# Altium PCB 搅拌机主控.PcbDoc (continued)
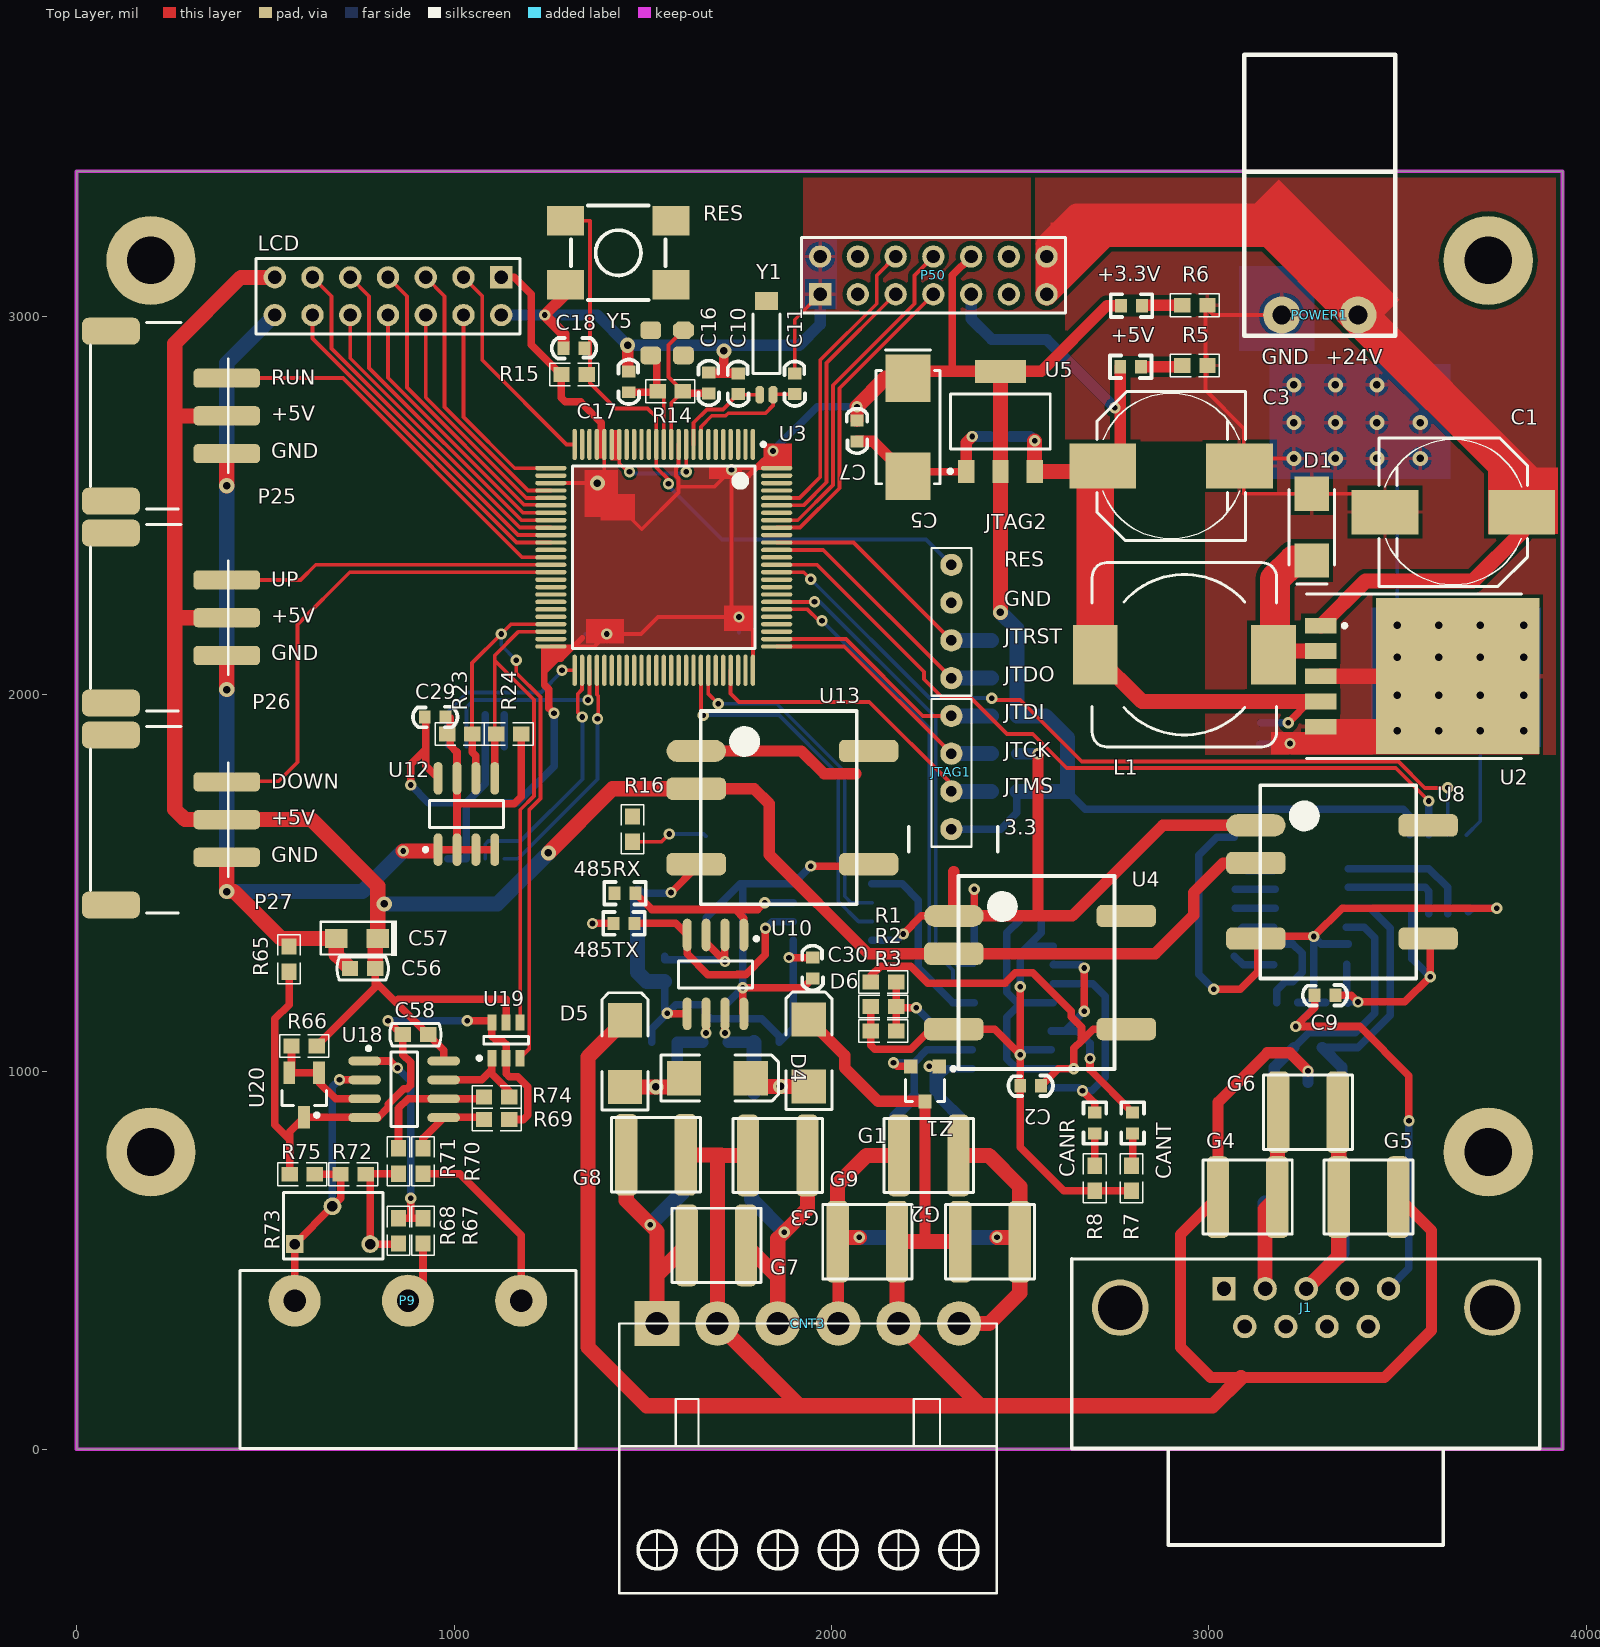
[diagram p0: Top Layer view]
## Footprints (in the part's own frame and the unit in brackets; to place one, negate y for a bottom-side part, rotate by r counter-clockwise, add the part's x,y. Pads: shape width x height; smd on the part's side, far side on the other; paste and mask are expansions set on the pad) (continued)
  silkscreen extent -2.52,-2.5 0.9,2.88, body extent -1.95,-2.45 1.95,2.45, height 1.75
SOIC8_W [mm] "SPI_FLASH"
  oval 1.75x0.6 smd: 1(-3.768,1.905) 2(-3.768,0.635) 3(-3.768,-0.635) 4(-3.768,-1.905) 5(3.768,-1.905) 6(3.768,-0.635) 7(3.768,0.635) 8(3.768,1.905)
  silkscreen extent -3.93,-2.45 2.41,3.3
SOP127P710X350-4N [mm] "SOP, 4-Leads, Body 2.7x4.5mm (max), Pitch 1.27mm, IPC Medium Density"
  oval 1.8x0.7 smd: 1(-3.448,0.635) 2(-3.448,-0.635) 3(3.448,-0.635) 4(3.448,0.635)
  silkscreen extent -3.7,-1.35 2.29,1.71, body extent -2.76,-1.35 2.79,1.35, height 3.5
SOT23 [mm]
  rect 1.5x0.8 smd: 1(-1.5,1) 2(-1.5,-1) 3(1.5,0)
  silkscreen extent -0.3,-1.5 1.47,1.5, body extent -0.7,-1.5 0.7,1.5, height 1.1
SOT23-6 [mm] "Max4173"
  rect 1.1x0.6 smd: 1(-1.2,0.95) 2(-1.2,0) 3(-1.2,-0.95) 4(1.2,-0.95) 5(1.2,0) 6(1.2,0.95)
  silkscreen extent -1.32,-1.5 0.25,1.92, body extent -1.41,-1.4 1.43,1.5, height 1.23
SOT-23 [mm]
  rect 0.9x0.95 smd: 1(-0.95,-1.175) 2(0.95,-1.175) 3(0,1.175)
  silkscreen extent -2.03,-1.14 1.3,1.18, body extent -1.45,-1.4 1.45,1.4, height 1.2
SOT-223 [mm]
  rect 1.1x1.55 smd: 1(-2.3,-3.375) 2(0,-3.375) 3(2.3,-3.375)
  rect 3.45x1.55 smd: 4(0,3.375)
  silkscreen extent -3.5,-3.48 3.35,1.85, body extent -3.3,-3.94 3.3,3.43, height 0.8
SW_PB4_A1 [mil] "6*6轻触按键"
  rect 98.42x78.74 smd: 1(-140,85) 2(-140,-85) 3(140,-85) 4(140,85)
  silkscreen extent -125,-125 125,125, body extent -179,-120 179,124, height 516
TO-263-5 [mm] "贴片LM2596"
  rect 1.05x2.1 smd: 1(-3.4,-4.225) 2(-1.7,-4.225) 3(0,-4.225) 4(1.7,-4.225) 5(3.4,-4.225)
  rect 10.5x11 smd: 6(0,4.987)
  silkscreen extent -5.55,-5.18 5.55,9.28, body extent -5.33,-4.7 5.33,10.29, height 3
VR-3266W [mm] "3266电位器"
  rect 1.2x1.2 hole 0.7: 1(-2.54,-1.27)
  round 1.2 hole 0.7: 2(0,1.27) 3(2.54,-1.27)
  silkscreen extent -3.3,-2.29 3.41,2.21, body extent -3.3,-2.29 3.4,2.21, height 8.25
XH2.54*3卧贴 [mm]
  rrect50% 1.8x3.9 smd: 0(-3.2,7.8) 0(8.24,7.8)
  rrect50% 1.3x4.5 smd: 1(0,0) 2(2.54,0) 3(5.08,0)
  silkscreen extent -3.73,-0.1 8.81,9.17, body extent -3.85,-1.33 8.68,9.27, height 6
xtal3225 [mm] "贴片3.2x2.5"
  oct 1.4x1.2 smd: 1(0,-1.7)
  rrect50% 1.4x1.2 smd: 2(2.2,0) 3(2.2,-1.7) 4(0,0)
单排插针2.54 [mm] "11mm长4p"
  round 1.5 hole 0.7: 1(0,0) 2(2.54,0) 3(5.08,0) 4(7.62,0)
  silkscreen extent -1.19,-1.35 8.76,1.35, body extent -1.3,-1.27 8.86,1.27, height 9

## Part data
485RX 485TX +3.3V +5V CANR CANT: library part ledφ6
C1 C3 C5 C57: "极性电解电容"
C2 C4 C6 C7 C8 C9 C10 C11 C12 C13 C14 C15 C16 C17 C18 C22 C24 C25 C26 C27 C28 C29 C30 C60: library part "CAP X", "安规电容"
C21: library part CAP, "电解电容"
C56 C58: "无极性电容"
CNT3: "接线端子(3.96MM)"
D1: "肖特基二极管"
D4 D5 D6: "TVS保护"
F1 F2 F3 F4 F5 F6: library part "Fuse 2", "保险丝"
G1 G2 G3 G4 G5 G6: library part SMD5050-230NA, "230V 气体放电管"
G7 G8 G9: "230V 气体放电管"
J1: "串口"
J2: library part TLP281, "光耦"
L1: "电感"
LCD P50: "Header, 7-Pin"
P9: "3p接线端子"
P25 P26 P27: "接插件"
R1 R2 R3 R4 R5 R6 R7 R8 R9 R10 R11 R12 R13 R14 R15 R16 R17 R18 R19 R20 R21 R22 R23 R24 R65 R66 R67 R68 R69 R70 R71 R72 R74 R75: "贴片电阻"
R73: "精密可调电阻"
RES: "微动开关"
U1 U7: "ADI隔离芯片"
U2: "5V稳压芯片"
U3: library part STM32F103V, "STM32单片机100引脚"
U4 U8 U13: library part B0503D-2WR2, "5v-3.3v-2w隔离电源"
U5: "3.3V稳压芯片"
U6: "CANоƬ"
U10: "485总线芯片"
U11: library part ADUM1201, "ADI隔离芯片"
U12: library part AT24C02, "EEROM存储器"
U18: library part AD8667, "双运放"
U19: "16位内部基准AD芯片IIC"
U30: library part MAX232, "+5V Powered, Multi-Channel RS-232 Driver/Receiver"
U40: library part W25QXX, "SPI FLASH"
Y1 Y5: "圆柱晶振"
Z1: "过压保护"
Z2: library part PESD1CAN, "过压保护"

## Free pads (board coordinates)
  round 236.22 hole 125.98: 0(196.85,787.4) 0(196.85,3149.61) 0(3740.16,787.4) 0(3740.16,3149.61)

## Via types
v1: diameter 30, hole 15, Top Layer to Bottom Layer, 73 vias
v2: diameter 40, hole 20, Top Layer to Bottom Layer, 38 vias

## Nets (pads, with @x,y where several pads share a name; then routed paths per layer and width w, separated by ;. In a path a pad name is that pad's centre, name@x,y a point inside that pad or via, vN(x,y) a via of type N, cw(c..) or ccw(c..) an arc to the next point about the centre after c; other vN are vias at no path point)
12~24V: C1.1 P50.13 P50.14 POWER1.1 U2.1 | length 2785.5
  Top Layer w40: U2.1 3414.55,2300 3700,2300 3828.86,2428.86 C1.1
  Top Layer w60: POWER1.1 3130,3270 2780,3270 ; 2780,3270 2650,3270 2570,3190 P50.14 P50.13 2780,3270
  Top Layer w100: POWER1.1 3828.86,2571.14 C1.1
232-3.3: C9.1 C12.2 U7.8 U8.9 U30.16 | length 718.2
  Top Layer w20: C9.1 3376.99,1203.01 v1(3395,1185) 3519.25,1185 v1(3586.1,1251.85) U8.9@3586.1,1358.5
  Bottom Layer w20: U30.16@3365.31,1284.61 3365.31,1183.5 3367.76,1181.06 3371.69,1185 v1(3395,1185) ; U7.8@3537.76,1424.02 3537.76,1300.2 v1(3586.1,1251.85)
232-GND: C9.2 C12.1 C14.1 C22.1 J1.5 U7.5 U8.8 U30.15 | length 2936.9
  Top Layer w20: v1(3012.76,1218.5) 3082.76,1218.5 3129.41,1265.16 3129.41,1358.5 v1(3277.76,1358.5) 3352.76,1433.5 v1(3762.76,1433.5) ; C9.2 3280.2,1170.2 v1(3230,1120) 3400,1120 3530,990 v1(3530,870)
  Bottom Layer w20: v1(3012.76,1218.5) 2972.76,1258.5 2972.76,1573.5 3020.31,1621.06 C22.1@3067.76,1621.06 ; v1(3230,1120) 3277.76,1167.76 3277.76,1183.5 ; C14.1@3235.32,1183.5 3277.76,1183.5 ; C12.1@3310.2,1183.5 3277.76,1183.5 ; U30.15@3369.21,1338.5 3297.76,1338.5 v1(3277.76,1358.5) 3277.76,1183.5 ; J1.5 3530,479 v1(3530,870) ; U7.5@3687.76,1424.02 3697.24,1433.5 v1(3762.76,1433.5)
232-RX: U3.87 U7.2 | length 2088.7
  Top Layer w10: U3.87 1961.68,2343.32 2245,2060 2245,2040 2295,1990 2370,1990 2465,1895 2533.18,1895 2623.18,1805 3495,1805 v1(3582.76,1717.24)
  Bottom Layer w20: U7.2 v1(3582.76,1717.24)
232-TX: U3.86 U7.3 | length 2139.3
  Top Layer w10: U3.86 1926.36,2323.64 v1(1945,2305) ; v1(2425,1990) 2430,1985 2500,1985 2663,1822 3502.04,1822 3571.8,1752.24 v1(3632.76,1752.24)
  Bottom Layer w10: v1(1945,2305) 2260,1990 v1(2425,1990) ; U7.3 v1(3632.76,1752.24)
232RX: U7.7 U30.12 | length 277.7
  Bottom Layer w20: U30.12@3369.21,1488.5 3572.76,1488.5 3582.76,1478.5 U7.7
232TX: U7.6 U30.11 | length 354.2
  Bottom Layer w20: U30.11@3369.21,1538.5 3582.76,1538.5 3632.76,1488.5 U7.6
485-3.3: C24.2 C30.1 J2.4 U10.8 U11.8 U13.9 | length 1142.1
  Top Layer w20: U10.8 1765,1156.28 v1(1765,1222.69) 1925.25,1222.69 C30.1 ; v1(1945.26,1545) 2093.35,1545 U13.9
  Bottom Layer w20: J2.4 1667.76,1407.76 1758.01,1498.01 U11.8 v1(1945.26,1545) ; C24.2 v1(1765,1222.69) 1765,1491.02
485-A: CNT3.1 F6.2 G7.2 G8.1 | length 799.5
  Top Layer w40: G8.1 1456.26,658.74 v1(1520,595) 1537.76,577.24 1537.76,461.5 ; CNT3.1 1537.76,461.5 ; G7.2 1537.76,461.5
  Bottom Layer w40: v1(1520,595) 1607.76,682.76 F6.2
485-B: CNT3.3 F5.2 G7.1 G9.1 | length 824
  Top Layer w40: G7.1 1857.76,455.98 ; CNT3.3 1857.76,455.98 ; G9.1 1936.5,636.5 v1(1875,575) 1857.76,557.76 1857.76,455.98
  Bottom Layer w40: F5.2 1787.76,662.24 v1(1875,575)
485-GND: C24.1 C30.2 R17.1 R18.2 R20.1 R21.1 R22.1 U10.5 U11.5 U13.8 | length 1435.6
  Top Layer w20: v1(1565,1155) 1566.48,1153.52 U10.5 ; v1(1575,1475) 1641.65,1541.65 U13.8 ; v1(1887.56,1302.56) C30.2
  Bottom Layer w20: R22.1 1573.01,1473.01 v1(1575,1475) ; R20.1 1524.29,1114.29 v1(1565,1155) ; R17.1 1557.76,1162.24 v1(1565,1155) ; U11.5 1898.27,1115.06 R18.2 1861.22,1093.78 1815,1140 1680,1140 1665.2,1154.8 C24.1 1588.01,1178.01 v1(1565,1155)
  Bottom Layer w40: R22.1 1486.22,1263.78 1510.46,1239.54 R17.1
485-RE: J2.2
485-RX: U3.69 U11.2 | length 918.5
  Top Layer w10: U3.69 1673.78,2001.22 v1(1700,1975)
  Bottom Layer w10: v1(1700,1975) 1855,1975 2035,1795 2035,1465 2051.99,1448.01 U11.2
485-TX: U3.68 U11.3 | length 991.9
  Top Layer w10: U3.68 1654.09,1950.91 v1(1660,1945)
  Bottom Layer w10: v1(1660,1945) 1860.96,1945 2018,1787.96 2018,1452 2071.99,1398.01 U11.3
485RE: J2.3 R17.2 U10.2 U10.3 | length 386.3
  Top Layer w20: U10.3 1667.76,1342.24 v1(1717.76,1292.24) U10.2
  Bottom Layer w20: R17.2 1557.76,1296.83 v1@1713.17,1296.83 ; v1(1717.76,1292.24) J2.3
485RX: 485RX.2 U10.1 U11.7 | length 520.2
  Top Layer w20: 485RX.2 1523.32,1430 1745,1430 ; U10.1 1767.76,1407.24 1745,1430 ; v1(1823.01,1448.01) 1805,1430 1745,1430
  Bottom Layer w20: v1(1823.01,1448.01) U11.7
485TX: 485TX.2 U10.4 U11.6 | length 605.4
  Top Layer w20: 485TX.2 1587.24,1393.01 U10.4 1617.76,1312.24 1672.76,1257.24 1750.05,1257.24 1750.5,1257.69 1772.69,1257.69 1825,1310 v1(1825,1380)
  Bottom Layer w20: v1(1825,1380) 1843.01,1398.01 U11.6
+5V: +5V.2 C3.1 C4.1 C6.1 C56.1 C57.1 C58.2 L1.2 LCD.13 P25.2 P26.2 P27.2 P50.9 R66.1 U2.4 U4.14 U5.3 U8.14 U13.14 U18.8 U19.5 | length 8789.2
  Top Layer w20: 260,2745 266.99,2738.01 ; R66.1 791.22,1223.5 791.22,1238.5 ; C56.1 791.22,1238.5 ; 844.86,1185.14 851.97,1192.24 1137.76,1192.24 U19.5 ; U18.8 972.24,1057.48 C58.2 791.22,1238.5 ; v1(3210,1925) U2.4@3266.08,1981.08
  Top Layer w30: U13.14 1795,1750 1835,1710 1835,1575 2096.99,1313.01 U4.14 2858.01,1313.01 2960,1415 2960,1475 3038.01,1553.01 U8.14 ; C3.1@2765.2,2651.3 +5V.2
  Top Layer w40: 261.99,2203.01 P26.2 ; 266.99,2738.01 P25.2 ; LCD.13 435,3105 260,2930 260,2745 260,1695 286.99,1668.01 P27.2 621.99,1668.01 797.76,1492.24 C57.1 791.22,1346.97 C56.1 ; v2(1250,1580) 1420,1750 U13.14 ; v1(2538.31,2671.69) U5.3 C3.1@2704.03,2590.13 ; L1.2 2822.7,1981.08 2925,1981.08 3266.08,1981.08 U2.4
  Top Layer w100: L1.2 C3.1@2698.78,2584.88
  Bottom Layer w20: C4.1@3137.44,1925 v1(3210,1925)
  Bottom Layer w30: P50.9 2370,2995 2425,2940 2570,2940 v1(2750.35,2759.65) ; C6.1 2526.99,2683.01 v1(2538.31,2671.69)
  Bottom Layer w40: v2(815,1445) 1115,1445 v2(1250,1580)
+24V: 
A1+: 
A1-: 
A2+: 
A2-: 
B1+: 
B1-: 
B2+: 
B2-: 
BOOT0: U3.94
BOOT1: U3.37
BUZZ: LCD.12 U3.36 | length 917.6
  Top Layer w10: LCD.12 625,2942.67 1165.29,2402.38 U3.36
CAN3.3: C2.1 C8.2 R1.1 U1.8 U4.9 U6.3 | length 1730.8
  Top Layer w20: R1.1 2104.29,1254.29 2130,1280 2210,1280 2255,1235 2459.75,1235 2486.75,1262 2533,1262 2635,1160 2635,1145.5 2662.5,1118 2662.5,1082.5 ; C2.1 2600.31,1008.01 v1(2641.99,1008.01) 2641.99,1061.99 2662.5,1082.5 ; U4.9 2693.01,1113.01 2662.5,1082.5
  Bottom Layer w20: C8.2 2465,1367.81 2465,1210.5 2492.49,1183.01 2503.01,1183.01 ; U1.8 2503.01,1183.01 ; v1(2641.99,1008.01) U6.3 2491.99,1008.01 2465,1035 2465,1145 2503.01,1183.01
CAN-H: CNT3.4 F1.2 G1.1 G3.1 | length 698.4
  Top Layer w30: CNT3.4 G3.1@2017.76,548.5
  Top Layer w40: G3.1 2016.26,701.26 2093.01,778.01 G1.1 ; G3.1@2030.65,561.39 v1(2073.61,561.39)
  Bottom Layer w40: v1(2073.61,561.39) F1.2
CAN-L: CNT3.6 F2.2 G1.2 G2.1 | length 810.4
  Top Layer w40: G1.2 2416.99,778.01 2498.74,696.26 G2.1 2498.74,413.74 2418.01,333.01 CNT3.6 ; v1(2438.61,561.39) G2.1@2485.13,561.39
  Bottom Layer w40: F2.2 v1(2438.61,561.39)
CAN-RX: U1.2 U3.81 | length 1294.6
  Top Layer w10: U3.81 1936.6,2225.21 1966.82,2195 v1(1975,2195)
  Bottom Layer w10: v1(1975,2195) 2259.23,1910.77 2259.23,1331.73 2321.99,1268.97 2321.99,1233.01 U1.2
CAN-TX: U1.3 U3.82 | length 1273.4
  Top Layer w10: U3.82 1954.9,2244.9 v1(1955,2245)
  Bottom Layer w10: v1(1955,2245) 1970,2245 2276.23,1938.77 2276.23,1338.77 2331.99,1283.01 U1.3
CANGND: C2.2 C8.1 R2.1 R3.1 R7.1 R8.1 U1.5 U4.8 U6.2 | length 1675.8
  Top Layer w20: R2.1 R3.1 2104.29,1070.71 2115,1060 2210,1060 2263.01,1113.01 U4.8 2432.39,1113.01 v1(2500.2,1045.2) ; v1(2500,1225) 2500,1045.39 v1(2500.2,1045.2) ; R7.1 R8.1 2615.46,684.54 2500.2,799.8 C2.2 v1(2500.2,1045.2)
  Bottom Layer w20: v1(2500,1225) 2500,1313.01 2520,1333.01 ; v1(2500.2,1045.2) 2513.01,1058.01 U6.2 ; C8.1 2555.31,1368.32 2520,1333.01 ; U1.5 2520,1333.01
CANRX: CANR.2 U1.7 U6.4 | length 598.5
  Top Layer w20: v1(2665,950) 2697.76,917.24 CANR.2
  Bottom Layer w20: U6.4 2656.99,958.01 v1(2665,950) 2690,950 2725,985 2725,1200 2691.99,1233.01 U1.7
CANTX: CANT.2 U1.6 U6.1 | length 618.5
  Top Layer w20: v1(2670,1160) v1@2670,1270 ; v1(2685,1035) 2685,1004.82 CANT.2
  Bottom Layer w20: U6.1 U6.1@2618.01,1108.01 ; U1.6@2589.24,1285 U1.6 2661.99,1283.01 v1(2670,1275) ; v1(2670,1160) U6.1@2618.01,1108.01 ; v1(2685,1035) 2685,1075 2651.99,1108.01 U6.1@2618.01,1108.01
CLK1: 
CLK2: 
CW1: 
CW2: 
DIR1: P50.8 U3.93 | length 903.1
  Top Layer w10: U3.93 1910.47,2461.43 2004,2554.96 2004,2819 2220,3035 2220,3110 P50.8
DIR2: P50.6 U3.96 | length 805.5
  Top Layer w10: U3.96 1915.49,2520.49 1970,2575 1970,2885 2120,3035 2120,3110 P50.6
DOWN: P27.3 U3.40 | length 1302.7
  Top Layer w10: P27.3 399.75,1770 535,1770 585,1820 585,2185 723.64,2323.64 U3.40
F_CS: U3.51 U40.1 | length 475.6
  Top Layer w10: v1(1286.2,2063.8) U3.51
  Bottom Layer w10: U40.1 982.76,1952.76 1035,2005 1230,2005 1286.2,2061.2 v1(1286.2,2063.8)
FONT_CS: 
GND: C1.2 C3.2 C4.2 C5.2 C6.2 C7.2 C10.2 C11.2 C16.2 C17.2 C18.1 C21.2 C25.1 C26.1 C27.1 C28.1 C29.1 C56.2 C57.2 C60.1 D1.1 JTAG2.3 LCD.2 LCD.14 P25.1 P26.1 P27.1 P50.1 P50.2 POWER1.2 R5.1 R6.1 R12.2 R23.1 R24.1 R65.1 RES.2 U1.4 U2.3 U2.5 U2.6 U3.10 U3.19 U3.20 U3.27 U3.49 U3.74 U3.99 U4.1 U5.1 U7.4 U8.1 U11.4 U12.1 U12.2 U12.3 U12.4 U12.7 U13.1 U40.4 | length 11490.6
  Top Layer w10: U3.20 1417.87,2667.72 U3.19@1437.56,2667.72 ; U3.19 1437.56,2612.56 1460.12,2590 v1(1465,2590) ; v1(1615,2590) U3.10@1615,2661.94 ; C11.2 1902.76,2992.76 P50.1 ; C3.2 C3.2@3092.44,2605 ; C3.2@3101.1,2625 v2(3225,2625) ; POWER1.2 3012.26,3005 2991.22,3026.04 2991.22,2806.04 3092.44,2704.82 C3.2@3092.44,2605 ; v2(3335,2820) v2@3345,2820 ; v2@3435,2720 v2(3445,2720) ; C1.2 3418.07,2531.59 D1.1 3092.44,2531.59 C3.2@3092.44,2605 ; v2(3609.09,2098.01) U2.6@3619.09,2098.01 ; U2.6@3709.09,1998.01 v2(3719.09,1998.01)
  Top Layer w20: U12.1 U12.2 ; C29.1@990.31,1938.01 990.31,1864.69 1007.76,1847.24 U12.7 1007.76,1710 ; U12.4 U12.3 U12.2 ; R24.1 1178.46,1728.46 1160,1710 1007.76,1710 ; v1(2190,1365) 2238.01,1413.01 U4.1 ; C5.2@2214.88,2590.13 U5.1 ; U4.1@2375,1413.01 2378.27,1416.28 v1(2378.27,1483.27) ; v1(3215,1870) 3252.27,1870 U2.5 ; U2.6@3470,2048.01 U2.6 ; U12.2 1007.76,1710
  Top Layer w25: C16.2 1676.99,2850.57 1714.87,2850.57 ; v2(1714.87,2909.87) 1714.87,2850.57 ; C10.2 1714.87,2850.57
  Top Layer w30: C18.1 1290.45,2954.55 v1(1240,3005) 1295,3060 RES.2 ; C17.2@1460,2858.32 v2(1460,2925) ; U13.1 1920,1850 1980,1790 2065,1790 ; C7.2 2110.31,2670.45 C5.2 ; 2324.41,1530.59 U4.1 2375,1413.01 2540,1413.01 ; U5.1 2357.2,2667.2 v1(2373.01,2683.01) ; v1(2546.99,1843.01) 2546.99,1420 2540,1413.01 ; U8.1 2878.01,1653.01 2638.01,1413.01 2540,1413.01
  Top Layer w40: P27.1 v2(397.76,1477.24) 417.48,1477.24 541.22,1353.5 C57.2@675,1353.5 ; v2(397.76,2012.76) P26.1 ; v2(397.76,2552.76) P25.1 ; C57.2 687.76,1310.04 C56.2 ; v1(865,1585) 940,1585 ; U2.5 U2.6@3525.24,1914.15 ; U2.3 U2.6@3470,2048.01
  Bottom Layer w10: v1(1465,2590) 1470,2585 1610,2585 v1(1615,2590) ; v2(3445,2625) 3499.09,2570.91 v2(3499.09,2183.01) ; U7.4 3719.09,1663.83 v2(3719.09,1903.01)
  Bottom Layer w20: U40.4 C60.1@1132.76,1945.45 ; U11.4 2173.01,1348.01 v1(2190,1365) ; U1.4 v1(2378.27,1483.27) ; C4.2 3212.44,1867.44 v1(3215,1870)
  Bottom Layer w30: LCD.2 v1(1240,3005) 1380,3005 v2(1460,2925) 1915,2925 1970,2980 P50.1 ; v1(2373.01,2683.01) C6.2 ; R12.2 v1(2546.99,1843.01)
  Bottom Layer w40: LCD.14 397.76,2877.76 v2(397.76,2552.76) v2(397.76,2012.76) v2(397.76,1477.24) 757.24,1477.24 v1(865,1585)
  other v2: 3499.09,1903.01 3609.09,1903.01 3834.09,1903.01 3499.09,1998.01 3609.09,1998.01 3834.09,1998.01 3499.09,2098.01 3719.09,2098.01 3834.09,2098.01 3609.09,2183.01 3719.09,2183.01 3834.09,2183.01 3335,2625 3560,2625 3225,2720 3335,2720 3560,2720 3225,2820 3445,2820
GNDA: C58.1 R65.2 R69.2 R75.1 U18.4 U19.2 U19.6 U20.3 | length 1799.4
  Top Layer w20: R65.2 562.76,1177.76 525,1140 525,859.29 564.29,820 ; R75.1 564.29,820 ; U18.4@762.32,879.45 U20.3 564.29,840.98 564.29,820 ; U18.4 798.5,878.5 825.76,905.76 825.76,913.94 867.32,955.5 875.5,955.5 885,965 885,1025 864.29,1045.71 C58.1 861.5,1098.5 v1(825,1135) ; v1(1035,1135) 1096.1,1135 U19.6 1100.35,1094.65 1110,1085 1125,1085 1137.76,1072.24 U19.2 1137.76,995.43 1146.59,986.59 1168.41,986.59 1195,960 1195,885 1183.5,873.5 R69.2
  Bottom Layer w20: v1(825,1135) v1(1035,1135)
IICSCL: R23.2 U3.47 U12.6 U19.3 | length 1750
  Top Layer w10: R23.2@1047.76,1899.54 1047.76,2082.76 v1(1125,2160) 1150.84,2185.84 U3.47 ; v1(1165,2090) 1165,2056.8 1229.12,1992.68 1229.12,1723.96 1198.97,1693.81 1198.97,1060.07 U19.3
  Top Layer w20: R23.2@1047.76,1899.54 1047.76,1847.24 1057.76,1837.24 U12.6
  Bottom Layer w10: v1(1125,2160) 1125,2130 v1(1165,2090)
IICSDA: R24.2 U3.48 U12.5 U19.4 | length 1518
  Top Layer w10: R24.2@1107.76,1899.54 1107.76,2090 ; U19.4 1175.16,1694.04 1212.12,1731.01 1212.12,1985.64 1107.76,2090 ; U3.48 1171.16,2166.16 1107.76,2102.76 1107.76,2090
  Top Layer w20: U12.5 R24.2@1107.76,1899.54
JTCK: JTAG1.3 R12.1 U3.76 | length 687
  Top Layer w10: U3.76 2033.98,2126.79 JTAG1.3
  Bottom Layer w40: JTAG1.3 R12.1
JTDI: JTAG1.4 R11.1 U3.77 | length 653.7
  Top Layer w10: U3.77 2038.53,2146.47 2241.99,1943.01 JTAG1.4
  Bottom Layer w40: JTAG1.4 R11.1
JTDO: JTAG2.1 R9.1 U3.89 | length 710.1
  Top Layer w10: U3.89 1978.07,2382.69 JTAG2.1
  Bottom Layer w40: JTAG2.1 R9.1
JTMS: JTAG1.2 R10.1 U3.72 | length 871.7
  Top Layer w10: U3.72 1732.83,2002.17 1755,1980 2100,1980 2317.76,1762.24 JTAG1.2
  Bottom Layer w40: JTAG1.2 R10.1
JTRST: JTAG2.2 R13.1 U3.90 | length 676.8
  Top Layer w10: U3.90 2058.39,2402.38 JTAG2.2
  Bottom Layer w40: JTAG2.2 R13.1
LCD_CS: 
LCD_RS: 
LCD_RXD: LCD.4 U3.26 | length 557.7
  Top Layer w10: LCD.4 1025,2735 1160.77,2599.23 U3.26
LCD_TXD: LCD.3 U3.25 | length 577.4
  Top Layer w10: LCD.3 1075,3055 1075,2885 1297.78,2662.22 U3.25
LEDG: LCD.8 U3.32 | length 745.8
  Top Layer w10: LCD.8 825,2838.83 1182.72,2481.12 U3.32
LEDR: LCD.7 U3.31 | length 823.6
  Top Layer w10: LCD.7 875,3055 875,2812.88 1185.29,2502.58 1254.68,2502.58 U3.31
M1_1: 
M1_2: 
M1_3: 
M2_1: 
M2_2: 
M2_3: 
Net1_1: 485TX.1 R21.2 | length 105.6
  Top Layer w20: v1(1366.99,1393.01) 485TX.1
  Bottom Layer w20: v1(1366.99,1393.01) R21.2
Net2_1: 485RX.1 R22.2
Net+3.3V_1: +3.3V.1 R6.2 | length 102.8
  Top Layer w30: +3.3V.1@2826.52,3031.04 R6.2
Net+5V_1: +5V.1 R5.2 | length 105.9
  Top Layer w30: +5V.1 R5.2@2926.26,2868.01
NetBP1_2: 
NetC10_1: C10.1 U3.9 Y1.1 | length 262.9
  Top Layer w10: U3.9 1634.41,2719.41 1670,2755 1712.31,2755 C10.1 ; C10.1@1754.21,2793.99 Y1.1
NetC11_1: C11.1 U3.8 Y1.2 | length 348
  Top Layer w10: U3.8 1654.09,2709.09 1683,2738 1719.35,2738 1726.35,2745 1825,2745 1845.47,2765.47 Y1.2 1846.93,2795.45 C11.1
NetC13_1: C13.1 U30.1 | length 113
  Bottom Layer w20: C13.1@3067.76,1305.94 3090.69,1283.01 U30.1
NetC13_2: C13.2 U30.3 | length 112.6
  Bottom Layer w20: C13.2@3067.76,1361.06 3089.7,1383.01 U30.3
NetC14_2: C14.2 U30.2 | length 251.5
  Bottom Layer w20: U30.2@3176.3,1338.5 3222.76,1338.5 3247.76,1313.5 3247.76,1263.5 3222.76,1238.5 3202.76,1238.5 3180.2,1215.94 C14.2@3180.2,1183.5
NetC15_1: C15.1 U30.4 | length 106
  Bottom Layer w20: C15.1@3070.31,1433.5 U30.4@3176.3,1433.5
NetC15_2: C15.2 U30.5 | length 106
  Bottom Layer w20: C15.2@3070.32,1483.5 U30.5@3176.3,1483.5
NetC16_1: C16.1 R14.1 U3.12 Y5.1 | length 410.9
  Top Layer w10: U3.12 1575.35,2772.14 R14.1 1568.2,2841.03 1568.2,2925.38 Y5.1
  Top Layer w20: R14.1@1611.79,2797.44 C16.1
NetC17_1: C17.1 R14.2 U3.13 Y5.2 | length 280.4
  Top Layer w10: U3.13 R14.2@1555.67,2786.63
  Top Layer w20: C17.1 1536.73,2800.45 Y5.2@1536.73,2882.42
NetC22_2: C22.2 U30.6 | length 117.2
  Bottom Layer w20: C22.2@3067.76,1565.94 3100.69,1533.01 U30.6
NetC31_2: 
NetC33_2: 
NetC37_2: 
NetC38_1: 
NetC40_1: 
NetC41_2: 
NetC45_2: 
NetC49_2: 
NetC50_1: 
NetC52_1: 
NetC53_2: 
NetCANR1_1: CANR.1 R8.2 | length 85.5
  Top Layer w20: R8.2 CANR.1
NetCANT1_1: CANT.1 R7.2 | length 82.4
  Top Layer w20: R7.2@2797.76,754.5 CANT.1
NetD1_2: D1.2 L1.1 U2.2 | length 393.7
  Top Layer w40: L1.1@3225.91,2114.94 U2.2
  Top Layer w80: L1.1@3175,2100 3175,2305 3224.43,2354.43 D1.2
NetD4_1: D4.1 D5.1 F6.1 R19.1 R20.2 U10.6 | length 373.5
  Top Layer w20: v1(1667.76,1102.76) U10.6
  Top Layer w40: D5.1 D4.1@1585.59,959.43
  Bottom Layer w30: F6.1@1591.22,956.16 R20.2 R19.1
  other v2: 1535,960
NetF1_1: F1.1 R4.2 U6.7 Z1.2 | length 584.2
  Top Layer w20: v1(2164.29,1024.29) 2174.31,1014.27 Z1.2
  Bottom Layer w20: v1(2164.29,1024.29) 2219.29,1024.29 ; R4.2 2219.29,1024.29 ; U6.7 2253.01,1058.01 2219.29,1024.29
  Bottom Layer w30: F1.1 2167.76,881.47 R4.2
NetF2_1: F2.1 R4.1 U6.6 Z1.1 | length 491.5
  Top Layer w20: v1(2259.27,1014.27) Z1.1
  Bottom Layer w20: v1(2259.27,1014.27) 2270,1003.53 2270,949.23 R4.1 2286.22,986.22 2308.01,1008.01 U6.6
  Bottom Layer w30: R4.1 2347.76,871.47 F2.1
NetF3_1: F3.1 U30.14 Z2.1 | length 775.8
  Bottom Layer w20: Z2.1 3264.06,1102.97 3387.48,1102.97 3440,1155.49 3440,1355 3411.99,1383.01 U30.14
  Bottom Layer w30: F3.1 3172.76,1011.67 Z2.1
NetF3_2: F3.2 G4.2 G6.1 J1.2 | length 706.6
  Top Layer w40: J1.2 3149,635.51 G4.2 G6.1@3181.5,890.49
  Bottom Layer w40: J1.2 F3.2@3149,652.64
NetF4_1: F4.1 U30.13 Z2.2 | length 819.3
  Bottom Layer w20: Z2.2 3393.96,1064.27 3480,1150.31 3480,1380 3426.99,1433.01 U30.13
  Bottom Layer w30: Z2.2 3352.76,1011.67 F4.1
NetF4_2: F4.2 G5.2 G6.2 J1.3 | length 791.8
  Top Layer w40: J1.3 3344.02,511.02 G5.2 G6.2@3344.02,890.49
  Bottom Layer w40: J1.3 3352.76,519.76 F4.2
NetJ2_1: J2.1 R16.1 | length 206.1
  Top Layer w10: R16.1 1549.54,1609.54 v1(1570,1630)
  Bottom Layer w10: v1(1570,1630) 1661.51,1630 J2.1
NetLEDG1_1: 
NetLEDR1_1: 
NetP9_1: P9.1 R72.1 R73.1 R73.2 R75.2 U18.2 | length 862.9
  Top Layer w20: P9.1 R73.1 R73.2 699.29,665.04 R72.1 R75.2 ; v1(696.5,978.5) U18.2
  Bottom Layer w20: R73.2 677.76,959.76 v1(696.5,978.5)
NetP9_2: P9.2 R67.1 | length 168.1
  Top Layer w20: P9.2 917.76,433.5 R67.1
NetP9_3: P9.3 R70.1 | length 501.2
  Top Layer w20: R70.1 1014.96,730.04 1177.76,567.24 P9.3
NetR1_2: R1.2 R2.2 R3.2 U6.8 | length 354.7
  Top Layer w20: R3.2 R2.2 R1.2 ; R2.2@2174.23,1170 v1(2225,1170)
  Bottom Layer w20: v1(2225,1170) 2286.99,1108.01 U6.8
NetR32_2: 
NetR34_1: 
NetR36_1: 
NetR37_1: 
NetR39_1: 
NetR46_1: 
NetR50_2: 
NetR52_1: 
NetR54_1: 
NetR55_1: 
NetR57_1: 
NetR64_1: 
NetR66_2: R66.2 U18.3 U20.1 U20.2 | length 308
  Top Layer w20: U20.2 U20.1 642.13,972.87 686.5,928.5 U18.3 ; U20.2@569.29,1003.46 R66.2
NetR67_2: R67.2 R68.2 U18.1 | length 571.9
  Top Layer w20: U18.1 831.5,1028.5 v1(850,1010) ; R68.2 885,611.97 ; v1(885,665) 885,611.97 ; R67.2 885,611.97
  Bottom Layer w20: v1(850,1010) 885,975 v1(885,665)
NetR68_1: R68.1 R71.1 R72.2 R73.3 | length 331.9
  Top Layer w20: R72.2@767.76,730.04 R71.1 ; R72.2@777.76,716.97 R73.3 R68.1@851.22,543.5
NetR69_1: R69.1 R70.2 U18.5 | length 214.5
  Top Layer w20: R70.2 917.76,824.02 973.74,880 1072.8,880 R69.1
NetR71_2: R71.2 R74.1 U18.6 | length 338
  Top Layer w20: R71.2 852.76,902.76 878.5,928.5 U18.6 R74.1@1074.29,928.5
NetR74_2: R74.2 U18.7 U19.1 | length 261
  Top Layer w20: U18.7 1073.5,978.5 1100.35,1005.35 ; U19.1 1100.35,1005.35 ; R74.2 1146.22,948.78 1100.35,994.65 1100.35,1005.35
NetR100_1: 
NetR102_1: 
PE: CNT3.2 CNT3.5 D5.2 D6.2 G2.2 G3.2 G4.1 G5.1 G8.2 G9.2 Z1.3 Z2.3 | length 7302.4
  Top Layer w30: D6.2 2035,1043.58 2035,1010 2123.25,921.75 Z1.3 2247.76,552.76 ; v1(3262.76,1002.24) 3215,1050 3155,1050 3024.02,919.02 G4.1 2925,568.99 2925,270 3005,190 3085,190 3465,190 3590,315 3590,579.5 G5.1
  Top Layer w40: D5.2 1355,1038.83 1355,270 1510,115 1915.76,115 ; G8.2 1706.99,780 ; G9.2 1706.99,778.01 1697.76,768.77 CNT3.2 1915.76,115 ; CNT3.5@2173.74,337.02 G3.2 G2.2 ; CNT3.5 2177.76,332.24 2395,115 ; 3085,190 3010,115 2395,115 ; 1915.76,115 2395,115
  Bottom Layer w30: Z2.3 v1(3262.76,1002.24)
PUL1: 
PUL2: 
PWM1: P50.7 U3.92 | length 826.4
  Top Layer w10: U3.92 1916.75,2441.75 2021,2546 2021,2811 P50.7
PWM2: P50.5 U3.95 | length 731.8
  Top Layer w10: U3.95 1925.8,2500.8 1987,2562 1987,2877.96 2169.04,3060 P50.5
RESET: C18.2 JTAG2.4 R15.1 RES.1 U3.14 | length 1740.3
  Top Layer w10: RES.1 1360,3255 1360,2825 1427.5,2757.5 1512.5,2757.5 1535.98,2734.02 U3.14 1535.98,2600.98 1568.04,2568.93 v1(1568.04,2558)
  Bottom Layer w10: v1(1568.04,2558) 1568.04,2551.96 1710,2410 2250.76,2410 JTAG2.4
RUN: P25.3 U3.38 | length 1055.5
  Top Layer w10: P25.3 705.62,2838.01 1180.62,2363.01 U3.38
SPI2_MISO: U3.53 U40.2 | length 509.6
  Top Layer w10: v1@1358.82,1988.82 U3.53
  Bottom Layer w10: U40.2 1032.76,1965.76 1052,1985 v1(1355,1985)
SPI2_MOSI: U3.54 U40.5 | length 625.4
  Top Layer w10: U3.54 1378.5,1999.68 1382,1996.18 1382,1937 v1(1380,1935)
  Bottom Layer w10: U40.5 1169.66,1564.66 1380,1775 v1(1380,1935)
SPI2_SCK: U3.52 U40.6 | length 665.1
  Top Layer w10: U3.52 1339.13,2012.94 1328,2001.81 1328,1952 v1(1340,1940)
  Bottom Layer w10: U40.6 1082.76,1602.76 1091.11,1611.11 1176.11,1611.11 1340,1775 v1(1340,1940)
SW-3: LCD.5 U3.29 | length 737.7
  Top Layer w10: LCD.5 975,3055 975,2760.96 1195.79,2540.17 U3.29
SW-4: LCD.6 U3.30 | length 659.9
  Top Layer w10: LCD.6 925,2786.92 1191.43,2520.49 U3.30
SW_A: LCD.10 U3.34 | length 831.7
  Top Layer w10: LCD.10 725,2890.75 1174,2441.75 U3.34
SW_B: LCD.9 U3.33 | length 909.5
  Top Layer w10: LCD.9 775,3055 775,2864.79 1178.36,2461.43 U3.33
SW_O: LCD.11 U3.35 | length 995.3
  Top Layer w10: LCD.11 675,3055 675,2916.71 1169.65,2422.06 U3.35
TFT_CLK: 
TFT_MISO: 
TFT_MOSI: 
UP: P26.3 U3.39 | length 875.4
  Top Layer w10: P26.3 593.01,2303.01 633.32,2343.32 U3.39
VBAT: U3.6
VCC3.3: +3.3V.2 C5.1 C7.1 C21.1 C25.2 C26.2 C27.2 C28.2 C29.2 C60.2 JTAG1.1 LCD.1 P50.10 R9.2 R10.2 R11.2 R13.2 R15.2 R16.2 U1.1 U3.11 U3.21 U3.22 U3.28 U3.50 U3.75 U3.100 U5.2 U5.4 U7.1 U11.1 U12.8 U40.3 U40.7 U40.8 | length 8964.9
  Top Layer w10: U3.50 1316.79,2126.79 1371.79,2126.79 v1(1405,2160) 1495,2160 1540,2205 v1(1755,2205) ; U3.28 v2@1398.05,2559.86 ; U3.21 1398.19,2536.81 1497.5,2437.5 1595.04,2535.04 1595.04,2571.78 1588,2578.82 1588,2601.18 1595.04,2608.22 U3.11 ; 1595.04,2550 1690,2550 v1(1735,2595) ; U3.75 1791.89,2168.11 v1(1755,2205) ; U3.100 1799.23,2599.23 1739.23,2599.23 v1(1735,2595) ; v1(1735,2595) 1735,2225 v1(1755,2205)
  Top Layer w15: 1240,2024.03 1240,2059.31 1273.99,2093.3 1283.3,2093.3 1316.79,2126.79 1340,2150 ; 1780,2580 1799.23,2599.23 v1(1845,2645)
  Top Layer w20: v1(885,1760) 885,1815 925,1855 ; C29.2@925,1927.81 925,1855 ; U12.8 925,1810.25 925,1855 ; LCD.1 1160,3105 1205,3060 1205,2926.79 R15.2 1284.54,2785.46 1295,2775 1335,2775 1390,2720 1390,2665 ; 1240,2024.03 1251.12,2012.91 1251.12,1963.88 v1(1265,1950) ; 2320,2855.88 2320,3110 P50.10
  Top Layer w30: C5.1@2220.63,2855.88 2320,2855.88 U5.4 2555.88,2855.88 2730,3030 +3.3V.2
  Top Layer w35: C7.1 v1(2067.76,2762.24)
  Top Layer w40: v1(2067.76,2762.24) 2143.52,2838.01 C5.1 ; v2(2447.76,2217.24) U5.2 U5.4
  Bottom Layer w10: C26.2@1348.2,2160 v1(1405,2160) ; v1(1735,2595) 1730,2595 1759.43,2565.57 C25.2 ; C28.2@1755,2163.32 v1(1755,2205)
  Bottom Layer w20: v1(885,1760) 932.24,1712.76 1032.76,1712.76 ; U40.8 U40.7 1032.76,1712.76 ; C60.2@1082.76,1945.45 U40.3 1082.76,1762.76 1032.76,1712.76 ; v1(1265,1950) 1265,1810 1167.76,1712.76 1032.76,1712.76 ; v1(1845,2645) 1962.24,2762.24 v1(2067.76,2762.24) ; U11.1 2186.99,1498.01 2230,1455 2230,1275 2321.99,1183.01 U1.1 ; JTAG1.1 2448.01,1643.01 2491.22,1686.22 R10.2 ; 2625,1743.01 2673.01,1695 3515,1695 3532.76,1677.24 U7.1
  Bottom Layer w40: v2(2447.76,2217.24) 2491.22,2173.78 R13.2 R9.2 R11.2 2566.99,1943.01 2625,1885 2625,1743.01 R10.2
  other v2: 1380,2559.86
pads on no net: D4.2 D6.1 F5.1 J1.1 J1.4 J1.6 J1.7 J1.8 J1.9 J1.10 J1.11 P25.0 P26.0 P27.0 P50.3 P50.4 P50.11 P50.12 R18.1 R19.2 RES.3 RES.4 U3.1 U3.2 U3.3 U3.4 U3.5 U3.7 U3.15 U3.16 U3.17 U3.18 U3.23 U3.24 U3.41 U3.42 U3.43 U3.44 U3.45 U3.46 U3.55 U3.56 U3.57 U3.58 U3.59 U3.60 U3.61 U3.62 U3.63 U3.64 U3.65 U3.66 U3.67 U3.70 U3.71 U3.73 U3.78 U3.79 U3.80 U3.83 U3.84 U3.85 U3.88 U3.91 U3.97 U3.98 U4.0 U6.5 U8.0 U10.7 U13.0 U30.7 U30.8 U30.9 U30.10 Y1.3 Y5.3 Y5.4
copper on no net: | length 382.8
  Top Layer w20: v1(1717.76,1102.76) 1717.76,1153.52
  Top Layer w40: 1807.93,961.42 v2(1865,961.42) 1940,961.42
  Bottom Layer w30: 1726.22,1078.01 1794.29,1078.01
  Bottom Layer w40: 1794.29,946.16 1794.29,1078.01

## Polygon pours and split planes (outlines as drawn)
VCC3.3 on Top Layer "Top Layer-No Net" (solid, remove dead copper, pour order 5): 1315,2605 1315,2120 1795,2120 1795,2605
GND on Top Layer "Top Layer-No Net" (solid, remove dead copper, pour order 3): 1925,3385.83 1925,3015 1930,3010 2620,3010 2620,2670 2990,2670 2990,1840 3937.01,1840 3937.01,3385.83
12~24V on Top Layer "Top Layer-No Net" (solid, remove dead copper, pour order 0): 3740,2540 3937.01,2540 3937.01,2565 3937.01,3385.83 2540,3385.83 2540,3030 2600,3030 2600,3190 2595,3195 2660,3260 2675,3260 3120,3260 3125,3265 3380,3010 3390,3010 3390,2975 3740,2625
GND on Bottom Layer "Top Layer-No Net" (solid, remove dead copper, pour order 2): 3440,1840 3937.01,1840 3937.01,3385.83 1925,3385.83 1925,3015 1930,3010 2620,3010 2620,2670 2990,2670 2990,1840 3440,1840

## Keep-outs
Keep-Out Layer:
  lines w10: 3937.01,3385 3937.01,0 0,0 0,3385.83 3937.01,3385.83

## Other copper
Top Layer:
  rectangle net VCC3.3: 1280,2110 1305,2126.79
  rectangle net VCC3.3: 1283.3,2100 1290,2126.79
  rectangle net VCC3.3: 1265,2093.3 1283.3,2126.79
  rectangle net VCC3.3: 1256.46,2085 1265.69,2126.79
  rectangle net VCC3.3: 1245,2075 1256.46,2126.79
  rectangle net VCC3.3: 1230,2025 1245,2125
  rectangle net VCC3.3: 1715,2168.11 1791.89,2235
  rectangle net VCC3.3: 1350,2135 1450,2200
  rectangle net VCC3.3: 1387.83,2460 1480,2530.63
  rectangle net VCC3.3: 1345,2470 1435,2595
  rectangle net VCC3.3: 1675,2570 1763.6,2605
  rectangle net VCC3.3: 1810,2599.23 1830,2610
  rectangle net VCC3.3: 1820,2599.23 1895,2665
  rectangle net GND: 3165,1840 3875,1900
  rectangle net 12~24V: 2685,3185 3200,3290
  rectangle net 12~24V: 2675,3215 2715,3280
  rectangle net 12~24V: 2635,3165 2700,3275
  rectangle net 12~24V: 2580,3120 2640,3250
  rectangle net 12~24V: 3740,2425 3925,2600.7
  region net 12~24V: 3395,2935 3505,3045 3185,3365 3075,3255
  rectangle net VCC3.3: 1375,2625 1395,2700
  rectangle net GND: 1415,2620 1435,2700
Bottom Layer:
  rectangle net GND: 1925,3020.47 2015,3205
  rectangle net GND: 3080,2910 3280,3135
  rectangle net GND: 3160,2570 3640,2875
  rectangle net GND: 3430,1860 3880,2230

## Silkscreen, mask and mechanical layers (free items; w line width, h text height)
Top Overlay:
  lines w10: 2204.65,1583.5 2204.65,1648.5 ; 2440.87,1583.5 2440.87,1648.5
  text "GND" at 3140,2875 h40
  text "+24V" at 3310,2875 h40
  text "RUN" at 515,2820 h40
  text "+5V" at 515,2725 h40
  text "GND" at 515,2625 h40
  text "RES" at 2457.76,2338.5 h40
  text "UP" at 515,2285 h40
  text "GND" at 2457.76,2233.5 h40
  text "+5V" at 515,2190 h40
  text "JTRST" at 2457.76,2133.5 h40
  text "GND" at 515,2090 h40
  text "JTDO" at 2457.76,2033.5 h40
  text "JTDI" at 2457.76,1933.5 h40
  text "JTCK" at 2457.76,1833.5 h40
  text "DOWN" at 515,1750 h40
  text "JTMS" at 2457.76,1738.5 h40
  text "+5V" at 515,1655 h40
  text "3.3" at 2457.76,1628.5 h40
  text "GND" at 515,1555 h40